# KiCad board KlusterLab r2.0.kicad_pcb (continued)
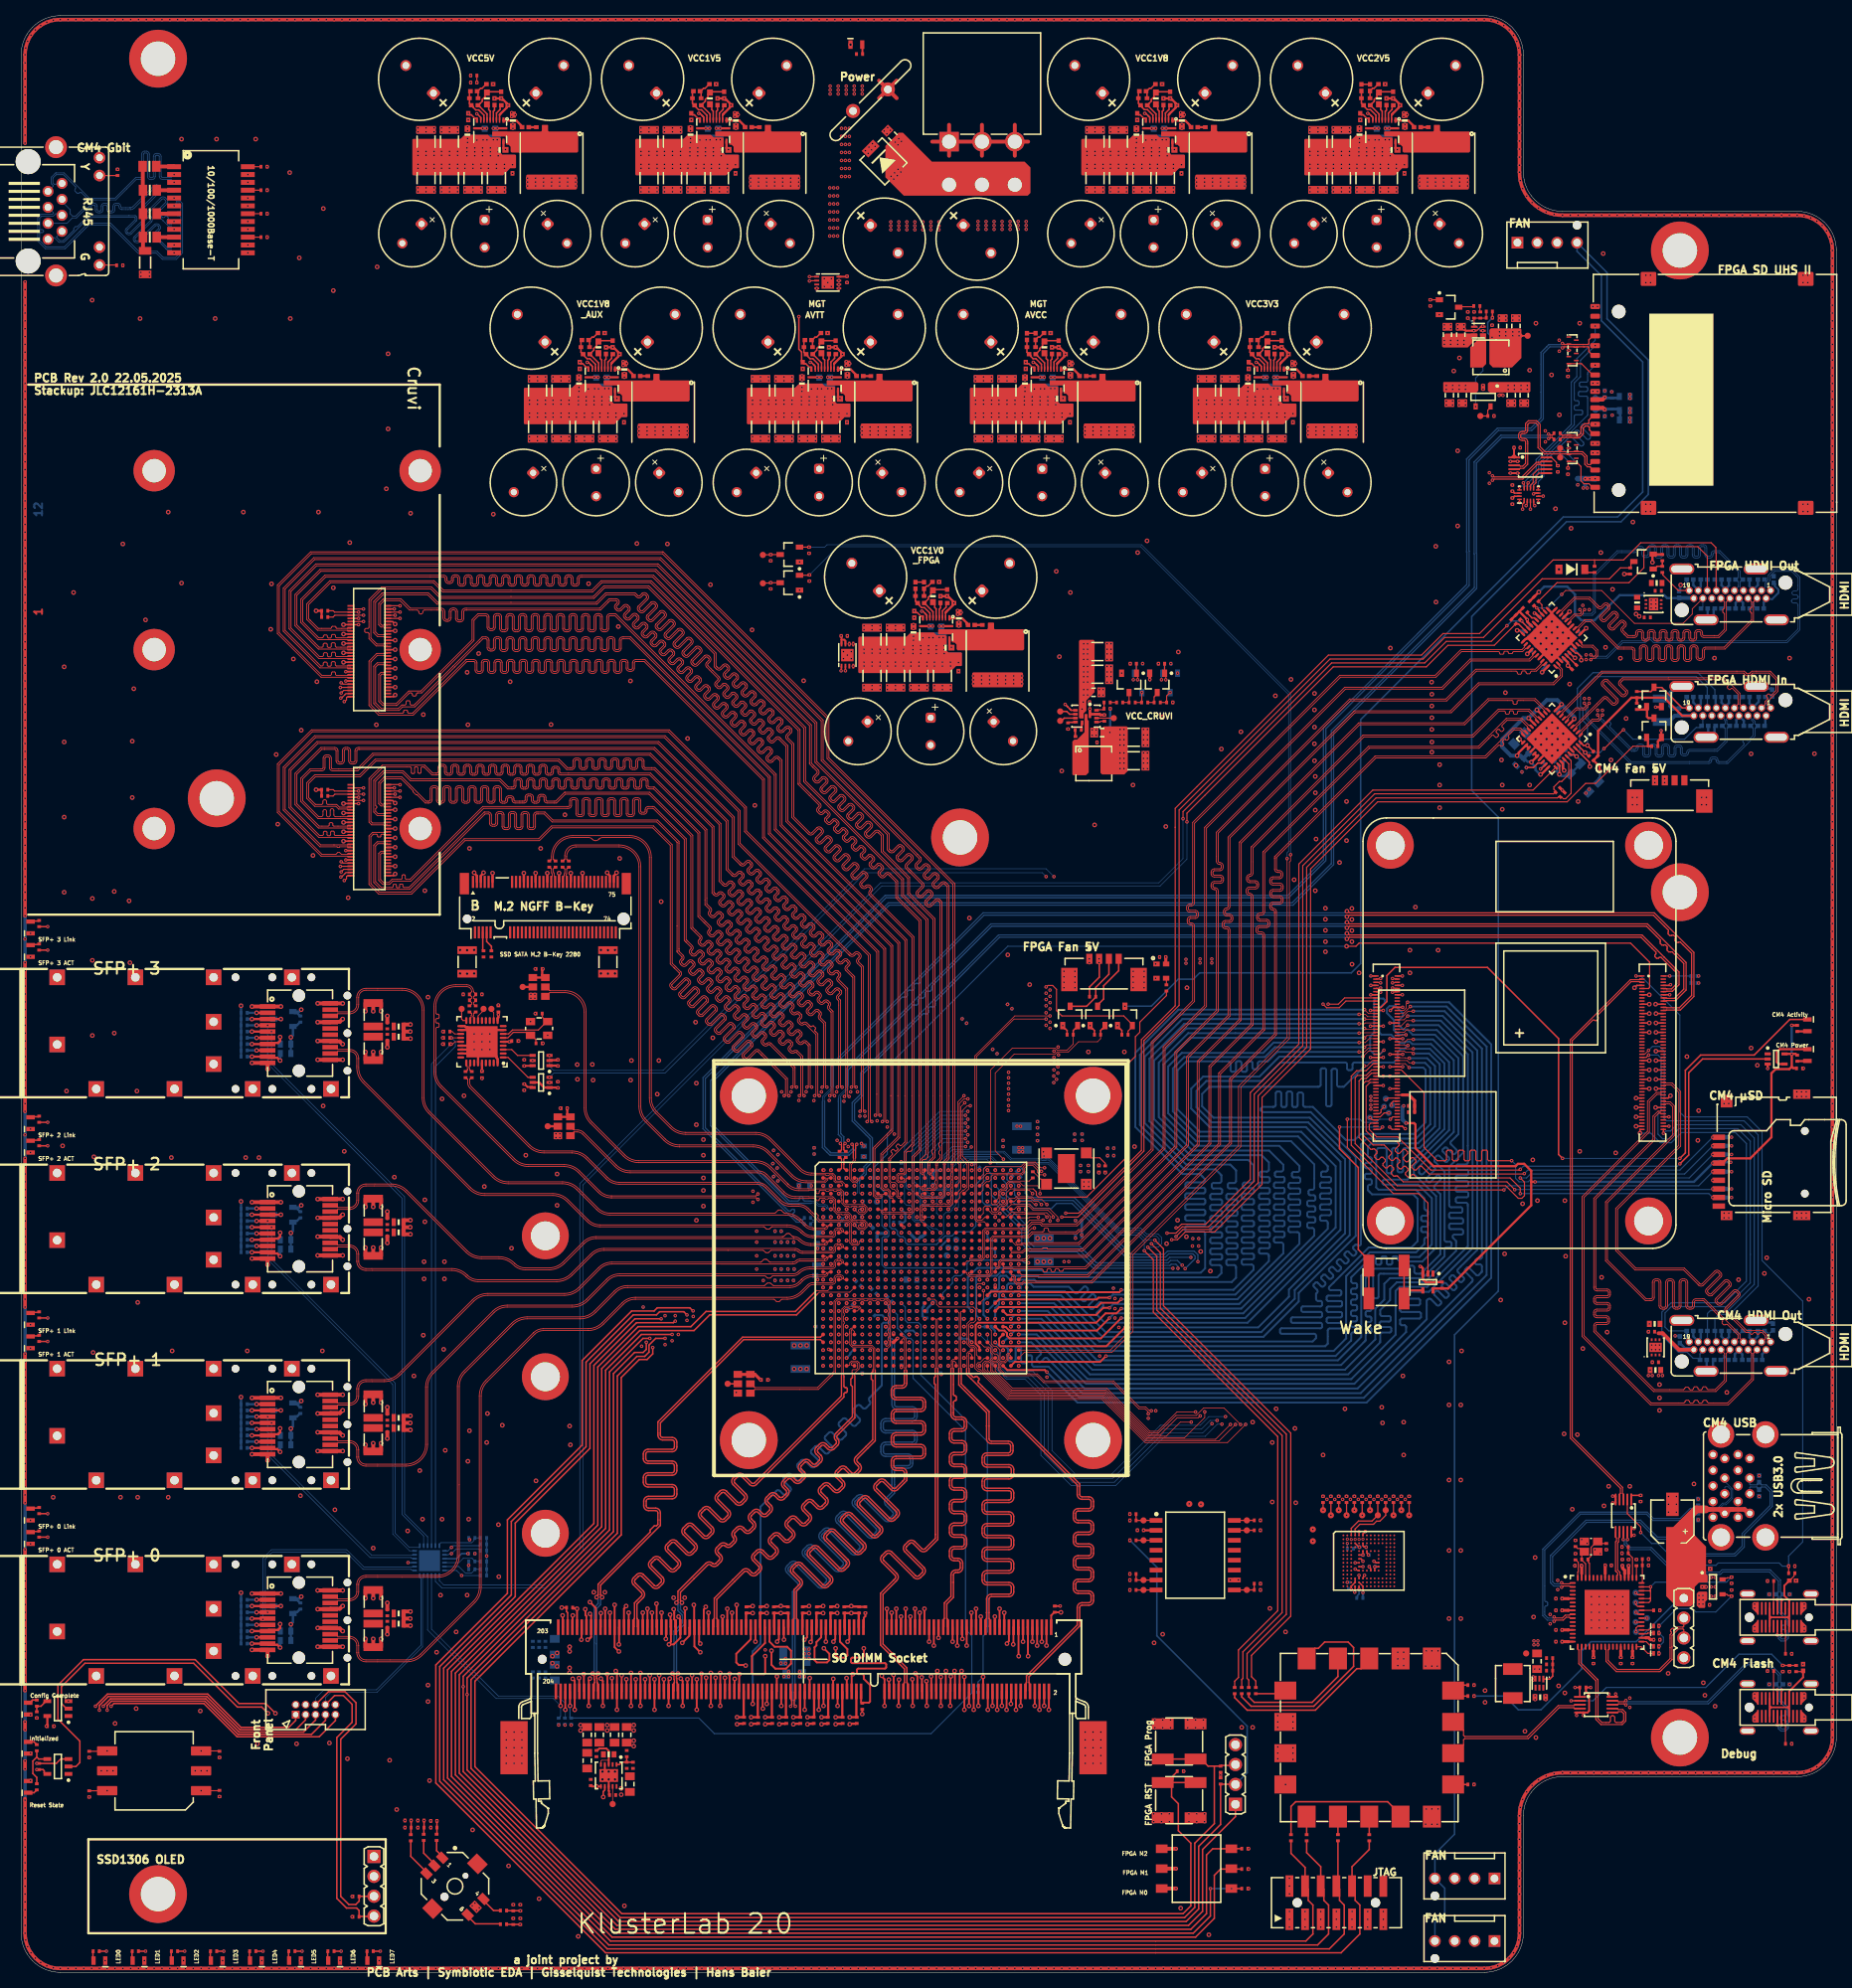
[diagram p0: board, top side]
## Routing (per net, layer and track width the routed paths; a pad name or vN(x,y) marks a point on that pad's centre or on a via; arc(x,y) is an arc through that point) (continued)
  L3 Inner2 (Sig) w0.45: v1(0.5,233.71) 0.5,237.82 v1(0.5,237.82) v1(0.5,240.9) v1(0.5,243.97) v1(0.5,245) arc(1.82,248.18) v1(5,249.5) v1(7,249.5) v1(9,249.5) v1(12,249.5) v1(16,249.5) v1(18,249.5) v1(22,249.5) v1(28,249.5) v1(31,249.5) v1(32,249.5) v1(37,249.5) v1(39,249.5) v1(43,249.5) v1(45,249.5) v1(48,249.5) v1(51,249.5) v1(54,249.5) v1(57,249.5) v1(58,249.5) v1(62,249.5) v1(65,249.5) v1(68,249.5) v1(73,249.5) v1(77,249.5) v1(80,249.5) v1(83,249.5) v1(84,249.5) v1(87,249.5) v1(92,249.5) v1(95,249.5) v1(97,249.5) v1(103,249.5) v1(109,249.5) v1(111,249.5) v1(113,249.5) v1(118,249.5) v1(119,249.5) v1(122,249.5) v1(125,249.5) v1(128,249.5) v1(131,249.5) v1(135,249.5) v1(138,249.5) v1(141,249.5) v1(143,249.5) v1(146,249.5) v1(149,249.5) v1(150,249.5) v1(153,249.5) v1(157,249.5) v1(158,249.5) v1(161,249.5) v1(163,249.5) v1(166,249.5) v1(169,249.5) v1(171,249.5) v1(173,249.5) v1(176,249.5) v1(180,249.5) v1(182,249.5) v1(187,249.5) arc(190.18,248.18) v1(191.5,245) v1(191.5,242.18) v1(191.5,236.03) v1(191.5,235) v1(191.5,230) arc(193.11,226.11) v1(197,224.5) v1(201,224.5) v1(205,224.5) v1(209,224.5) v1(211,224.5) v1(212,224.5) v1(214,224.5) v1(217,224.5) v1(221,224.5) v1(224,224.5) v1(227,224.5) arc(230.18,223.18) v1(231.5,220) v1(231.5,218) v1(231.5,217) v1(231.5,214) v1(231.5,210) v1(231.5,205) v1(231.5,204) v1(231.5,203) 231.5,173 231.5,160 231.5,141 v1(231.5,133) v1(231.5,132) v1(231.5,129) v1(231.5,126) v1(231.5,122) 231.5,110 231.5,106 231.5,78 231.5,73 231.5,46 v1(231.5,45) v1(231.5,41) v1(231.5,36) 231.5,30 arc(230.18,26.82) v1(227,25.5) v1(224,25.5) v1(221,25.5) v1(219,25.5) v1(217,25.5) v1(215,25.5) v1(212,25.5) v1(211,25.5) v1(207,25.5) v1(204,25.5) v1(201,25.5) v1(199,25.5) v1(197,25.5) arc(193.11,23.89) v1(191.5,20) v1(191.5,16) v1(191.5,13) v1(191.5,12) v1(191.5,5) arc(190.18,1.82) v1(187,0.5) v1(184,0.5) v1(178,0.5) v1(176,0.5) v1(174,0.5) v1(166,0.5) v1(162,0.5) v1(156,0.5) v1(150,0.5) v1(148,0.5) v1(143,0.5) v1(142,0.5) v1(141,0.5) v1(138,0.5) v1(133,0.5) v1(131,0.5) v1(129,0.5) v1(126,0.5) v1(123,0.5) v1(121,0.5) v1(117,0.5) v1(115,0.5) v1(110,0.5) v1(108,0.5) v1(105,0.5) v1(102,0.5) v1(96,0.5) v1(93,0.5) v1(90,0.5) v1(89,0.5) v1(86,0.5) v1(82,0.5) v1(80,0.5) v1(77,0.5) v1(72,0.5) v1(69,0.5) v1(67,0.5) v1(62,0.5) v1(59,0.5) v1(56,0.5) v1(51,0.5) v1(50,0.5) v1(47,0.5) v1(45,0.5) v1(43,0.5) v1(39,0.5) v1(34,0.5) v1(33,0.5) v1(27,0.5) v1(24,0.5) v1(20,0.5) v1(14,0.5) v1(11,0.5) v1(8,0.5) v1(5,0.5) arc(1.82,1.82) v1(0.5,5) v1(0.5,8) v1(0.5,11) v1(0.5,12) v1(0.5,13) v1(0.5,17) v1(0.5,20) v1(0.5,22) v1(0.5,26) v1(0.5,31) v1(0.5,36) v1(0.5,37) v1(0.5,38) v1(0.5,43) v1(0.5,46) v1(0.5,47) v1(0.5,51) v1(0.5,52) v1(0.5,61) v1(0.5,64) v1(0.5,65) v1(0.5,68) v1(0.5,69) v1(0.5,73) v1(0.5,77) v1(0.5,78) v1(0.5,88) v1(0.5,90) v1(0.5,91) v1(0.5,94) v1(0.5,97) v1(0.5,102) v1(0.5,103) v1(0.5,104) v1(0.5,112) v1(0.5,114) v1(0.5,117) v1(0.5,118) v1(0.5,121) v1(0.5,123) v1(0.5,125) v1(0.5,126) v1(0.5,129) v1(0.5,132.03) v1(0.5,138) v1(0.5,143) v1(0.5,144) v1(0.5,146) v1(0.5,148) v1(0.5,151) v1(0.5,153) v1(0.5,156) v1(0.5,157) v1(0.5,159) v1(0.5,160) v1(0.5,165) v1(0.5,167) v1(0.5,169) v1(0.5,170) v1(0.5,175) v1(0.5,180) v1(0.5,183) v1(0.5,184) v1(0.5,186) v1(0.5,188) v1(0.5,189) v1(0.5,196) v1(0.5,197) v1(0.5,201) v1(0.5,204) v1(0.5,207) v1(0.5,209) v1(0.5,210) v1(0.5,212) v1(0.5,214) v1(0.5,215.97)
  L5 Inner4 (PWR) w0.45: v1(0.5,215.97) v1(0.5,214) v1(0.5,212) v1(0.5,210) v1(0.5,209) v1(0.5,206) v1(0.5,202) v1(0.5,201) v1(0.5,197) v1(0.5,196) v1(0.5,194) v1(0.5,192) v1(0.5,189) v1(0.5,186) v1(0.5,184) v1(0.5,183) v1(0.5,180) v1(0.5,178) v1(0.5,175) v1(0.5,173) v1(0.5,170) v1(0.5,169) v1(0.5,164) v1(0.5,161) v1(0.5,157) v1(0.5,156) v1(0.5,152) v1(0.5,148) v1(0.5,146) v1(0.5,144) v1(0.5,143) v1(0.5,140) v1(0.5,139) v1(0.5,136) v1(0.5,132.03) v1(0.5,129) v1(0.5,126) v1(0.5,122) v1(0.5,118) v1(0.5,117) v1(0.5,116) v1(0.5,113) v1(0.5,112) v1(0.5,104) v1(0.5,103) v1(0.5,99) v1(0.5,96) v1(0.5,94) v1(0.5,91) v1(0.5,90) v1(0.5,78) v1(0.5,77) v1(0.5,75) v1(0.5,73) v1(0.5,69) v1(0.5,67) v1(0.5,65) v1(0.5,64) v1(0.5,61) v1(0.5,52) v1(0.5,51) v1(0.5,50) v1(0.5,47) v1(0.5,45) v1(0.5,42) v1(0.5,38) v1(0.5,37) v1(0.5,32) v1(0.5,31) v1(0.5,26) v1(0.5,22) v1(0.5,20) v1(0.5,16) v1(0.5,12) v1(0.5,11) v1(0.5,9) v1(0.5,5) arc(1.82,1.82) v1(5,0.5) v1(6,0.5) v1(11,0.5) v1(14,0.5) v1(16,0.5) v1(18,0.5) v1(20,0.5) v1(25,0.5) v1(28,0.5) v1(31,0.5) v1(35,0.5) v1(38,0.5) v1(41,0.5) v1(45,0.5) v1(50,0.5) v1(51,0.5) v1(53,0.5) v1(56,0.5) v1(57,0.5) v1(62,0.5) v1(64,0.5) v1(67,0.5) v1(68,0.5) v1(72,0.5) v1(77,0.5) v1(80,0.5) v1(83,0.5) v1(84,0.5) v1(87,0.5) v1(91,0.5) v1(94,0.5) v1(96,0.5) v1(99,0.5) v1(103,0.5) v1(105,0.5) v1(110,0.5) v1(112,0.5) v1(115,0.5) v1(119,0.5) v1(122,0.5) v1(125,0.5) v1(128,0.5) v1(131,0.5) v1(136,0.5) v1(139,0.5) v1(141,0.5) v1(142,0.5) v1(145,0.5) v1(147,0.5) v1(150,0.5) v1(153,0.5) v1(156,0.5) v1(158,0.5) v1(160,0.5) v1(166,0.5) v1(169,0.5) v1(172,0.5) v1(178,0.5) v1(184,0.5) v1(186,0.5) v1(187,0.5) arc(190.18,1.82) v1(191.5,5) v1(191.5,10) v1(191.5,12) v1(191.5,13) v1(191.5,16) v1(191.5,20) arc(193.11,23.89) v1(197,25.5) v1(201,25.5) v1(204,25.5) v1(206,25.5) v1(211,25.5) v1(212,25.5) v1(215,25.5) v1(218,25.5) v1(220,25.5) v1(222,25.5) v1(225,25.5) v1(227,25.5) arc(230.18,26.82) 231.5,30 v1(231.5,36) v1(231.5,42) v1(231.5,45) 231.5,50 231.5,77 231.5,102 231.5,109 231.5,110 v1(231.5,121) v1(231.5,125) v1(231.5,129) v1(231.5,133) 231.5,140 231.5,144 231.5,172 231.5,173 v1(231.5,203) v1(231.5,204) v1(231.5,205) v1(231.5,208) v1(231.5,214) v1(231.5,220) arc(230.18,223.18) v1(227,224.5) v1(222,224.5) v1(215,224.5) v1(212,224.5) v1(211,224.5) v1(207,224.5) v1(204,224.5) v1(203,224.5) v1(201,224.5) v1(197,224.5) arc(193.11,226.11) v1(191.5,230) 191.5,231.92 v1(191.5,235) v1(191.5,236.03) v1(191.5,240.13) v1(191.5,241.16) v1(191.5,245) arc(190.18,248.18) v1(187,249.5) v1(185,249.5) v1(181,249.5) v1(178,249.5) v1(175,249.5) v1(173,249.5) v1(170,249.5) v1(167,249.5) v1(166,249.5) v1(160,249.5) v1(157,249.5) v1(153,249.5) v1(151,249.5) v1(146,249.5) v1(140,249.5) v1(138,249.5) v1(132,249.5) v1(129,249.5) v1(127,249.5) v1(123,249.5) v1(119,249.5) v1(118,249.5) v1(115,249.5) v1(109,249.5) v1(105,249.5) v1(102,249.5) v1(98,249.5) v1(93,249.5) v1(90,249.5) v1(89,249.5) v1(86,249.5) v1(83,249.5) v1(80,249.5) v1(76,249.5) v1(74,249.5) v1(69,249.5) v1(65,249.5) v1(62,249.5) v1(60,249.5) v1(55,249.5) v1(54,249.5) v1(51,249.5) v1(48,249.5) v1(45,249.5) v1(42,249.5) v1(39,249.5) v1(36,249.5) v1(32,249.5) v1(30,249.5) v1(26,249.5) v1(25,249.5) v1(19,249.5) v1(16,249.5) v1(13,249.5) v1(9,249.5) v1(6,249.5) v1(5,249.5) arc(1.82,248.18) v1(0.5,245) v1(0.5,243.97) v1(0.5,240.9) v1(0.5,237.82) 0.5,237.82 v1(0.5,233.71)
  L6 Inner5 (PWR) w0.45: v1(0.5,233.71) 0.5,237.82 v1(0.5,237.82) v1(0.5,240.9) v1(0.5,243.97) v1(0.5,245) arc(1.82,248.18) v1(5,249.5) v1(8,249.5) v1(9,249.5) v1(14,249.5) v1(17,249.5) v1(19,249.5) v1(21,249.5) v1(25,249.5) v1(28,249.5) v1(29,249.5) v1(32,249.5) v1(37,249.5) v1(40,249.5) v1(42,249.5) v1(45,249.5) v1(49,249.5) v1(54,249.5) v1(57,249.5) v1(62,249.5) v1(66,249.5) v1(68,249.5) v1(71,249.5) v1(74,249.5) v1(80,249.5) v1(81,249.5) v1(84,249.5) v1(87,249.5) v1(94,249.5) v1(97,249.5) v1(102,249.5) v1(103,249.5) v1(109,249.5) v1(113,249.5) v1(118,249.5) v1(120,249.5) v1(125,249.5) v1(129,249.5) v1(132,249.5) v1(135,249.5) v1(138,249.5) v1(141,249.5) v1(146,249.5) v1(149,249.5) v1(153,249.5) v1(160,249.5) v1(164,249.5) v1(167,249.5) v1(171,249.5) v1(173,249.5) v1(177,249.5) v1(180,249.5) v1(182,249.5) v1(187,249.5) arc(190.18,248.18) v1(191.5,245) v1(191.5,242.18) v1(191.5,240.13) v1(191.5,236.03) v1(191.5,235) v1(191.5,230) arc(193.11,226.11) v1(197,224.5) v1(202,224.5) v1(205,224.5) v1(207,224.5) v1(209,224.5) v1(211,224.5) v1(212,224.5) v1(214,224.5) v1(218,224.5) v1(220,224.5) v1(222,224.5) v1(227,224.5) arc(230.18,223.18) v1(231.5,220) v1(231.5,217) v1(231.5,212) v1(231.5,205) v1(231.5,204) v1(231.5,202) 231.5,173 231.5,161 231.5,141 v1(231.5,133) v1(231.5,130) v1(231.5,127) v1(231.5,121) 231.5,110 231.5,106 231.5,78 231.5,46 v1(231.5,45) v1(231.5,43) v1(231.5,35) 231.5,30 arc(230.18,26.82) v1(227,25.5) v1(225,25.5) v1(224,25.5) v1(221,25.5) v1(217,25.5) v1(214,25.5) v1(212,25.5) v1(211,25.5) v1(207,25.5) v1(204,25.5) v1(201,25.5) v1(197,25.5) arc(193.11,23.89) v1(191.5,20) v1(191.5,15) v1(191.5,13) v1(191.5,12) v1(191.5,7) v1(191.5,5) arc(190.18,1.82) v1(187,0.5) v1(185,0.5) v1(184,0.5) v1(179,0.5) v1(176,0.5) v1(172,0.5) v1(169,0.5) v1(165,0.5) v1(162,0.5) v1(159,0.5) v1(156,0.5) v1(151,0.5) v1(148,0.5) v1(145,0.5) v1(142,0.5) v1(141,0.5) v1(138,0.5) v1(134,0.5) v1(133,0.5) v1(129,0.5) v1(127,0.5) v1(122,0.5) v1(120,0.5) v1(117,0.5) v1(115,0.5) v1(112,0.5) v1(110,0.5) v1(107,0.5) v1(103,0.5) v1(100,0.5) v1(96,0.5) v1(94,0.5) v1(92,0.5) v1(87,0.5) v1(82,0.5) v1(81,0.5) v1(75,0.5) v1(71,0.5) v1(68,0.5) v1(65,0.5) v1(63,0.5) v1(60,0.5) v1(59,0.5) v1(56,0.5) v1(53,0.5) v1(51,0.5) v1(50,0.5) v1(47,0.5) v1(44,0.5) v1(43,0.5) v1(37,0.5) v1(30,0.5) v1(26,0.5) v1(24,0.5) v1(22,0.5) v1(17,0.5) v1(12,0.5) v1(11,0.5) v1(8,0.5) v1(5,0.5) arc(1.82,1.82) v1(0.5,5) v1(0.5,7) v1(0.5,8) v1(0.5,11) v1(0.5,12) v1(0.5,15) v1(0.5,17) v1(0.5,19) v1(0.5,20) v1(0.5,22) v1(0.5,26) v1(0.5,31) v1(0.5,37) v1(0.5,38) v1(0.5,41) v1(0.5,42) v1(0.5,46) v1(0.5,49) v1(0.5,51) v1(0.5,52) v1(0.5,61) v1(0.5,64) v1(0.5,65) v1(0.5,68) v1(0.5,70) v1(0.5,73) v1(0.5,75) v1(0.5,77) v1(0.5,78) v1(0.5,86) v1(0.5,88) v1(0.5,90) v1(0.5,91) v1(0.5,94) v1(0.5,97) v1(0.5,102) v1(0.5,103) v1(0.5,104) v1(0.5,112) v1(0.5,113) v1(0.5,117) v1(0.5,118) v1(0.5,122) v1(0.5,125) v1(0.5,126) v1(0.5,129) v1(0.5,132.03) v1(0.5,135) v1(0.5,141) v1(0.5,143) v1(0.5,144) v1(0.5,149) v1(0.5,152) v1(0.5,154) v1(0.5,156) v1(0.5,157) v1(0.5,161) v1(0.5,163) v1(0.5,165) v1(0.5,168) v1(0.5,169) v1(0.5,170) v1(0.5,172) v1(0.5,175) v1(0.5,177) v1(0.5,180) v1(0.5,183) v1(0.5,184) v1(0.5,189) v1(0.5,196) v1(0.5,197) v1(0.5,200) v1(0.5,204) v1(0.5,206) v1(0.5,209) v1(0.5,210) v1(0.5,214) v1(0.5,215.97)
  L7 Inner6 (PWR) w0.45: v1(0.5,215.97) v1(0.5,213) v1(0.5,210) v1(0.5,209) v1(0.5,208) v1(0.5,205) v1(0.5,203) v1(0.5,199) v1(0.5,197) v1(0.5,196) v1(0.5,194) v1(0.5,189) v1(0.5,184) v1(0.5,183) v1(0.5,180) v1(0.5,177) v1(0.5,174) v1(0.5,172) v1(0.5,170) v1(0.5,169) v1(0.5,165) v1(0.5,161) v1(0.5,157) v1(0.5,156) v1(0.5,154) v1(0.5,151) v1(0.5,144) v1(0.5,143) v1(0.5,141) v1(0.5,138) v1(0.5,132.03) v1(0.5,129) v1(0.5,126) v1(0.5,125) v1(0.5,120) v1(0.5,118) v1(0.5,117) v1(0.5,114) v1(0.5,112) v1(0.5,104) v1(0.5,103) v1(0.5,100) v1(0.5,97) v1(0.5,95) v1(0.5,91) v1(0.5,90) v1(0.5,88) v1(0.5,85) v1(0.5,78) v1(0.5,77) v1(0.5,75) v1(0.5,73) v1(0.5,70) v1(0.5,68) v1(0.5,65) v1(0.5,64) v1(0.5,61) v1(0.5,52) v1(0.5,51) v1(0.5,47) v1(0.5,43) v1(0.5,38) v1(0.5,37) v1(0.5,31) v1(0.5,26) v1(0.5,22) v1(0.5,20) v1(0.5,19) v1(0.5,16) v1(0.5,12) v1(0.5,11) v1(0.5,8) v1(0.5,7) v1(0.5,5) arc(1.82,1.82) v1(5,0.5) v1(7,0.5) v1(11,0.5) v1(15,0.5) v1(19,0.5) v1(22,0.5) v1(23,0.5) v1(27,0.5) v1(31,0.5) v1(34,0.5) v1(38,0.5) v1(43,0.5) v1(44,0.5) v1(49,0.5) v1(50,0.5) v1(51,0.5) v1(53,0.5) v1(56,0.5) v1(59,0.5) v1(62,0.5) v1(65,0.5) v1(68,0.5) v1(71,0.5) v1(75,0.5) v1(78,0.5) v1(83,0.5) v1(87,0.5) v1(91,0.5) v1(94,0.5) v1(96,0.5) v1(98,0.5) v1(104,0.5) v1(107,0.5) v1(110,0.5) v1(115,0.5) v1(117,0.5) v1(119,0.5) v1(125,0.5) v1(129,0.5) v1(133,0.5) v1(134,0.5) v1(136,0.5) v1(139,0.5) v1(141,0.5) v1(142,0.5) v1(143,0.5) v1(148,0.5) v1(151,0.5) v1(154,0.5) v1(158,0.5) v1(160,0.5) v1(164,0.5) v1(168,0.5) v1(174,0.5) v1(179,0.5) v1(184,0.5) v1(187,0.5) arc(190.18,1.82) v1(191.5,5) v1(191.5,10) v1(191.5,12) v1(191.5,13) v1(191.5,16) v1(191.5,20) arc(193.11,23.89) v1(197,25.5) v1(199,25.5) v1(204,25.5) v1(207,25.5) v1(211,25.5) v1(212,25.5) v1(216,25.5) v1(217,25.5) v1(224,25.5) v1(227,25.5) arc(230.18,26.82) 231.5,30 v1(231.5,36) v1(231.5,38) v1(231.5,43) v1(231.5,45) 231.5,46 231.5,77 231.5,95 231.5,109 231.5,110 v1(231.5,120) v1(231.5,121) v1(231.5,124) v1(231.5,128) v1(231.5,132) v1(231.5,133) 231.5,140 231.5,172 231.5,173 v1(231.5,204) v1(231.5,205) v1(231.5,214) v1(231.5,217) v1(231.5,220) arc(230.18,223.18) v1(227,224.5) v1(225,224.5) v1(224,224.5) v1(221,224.5) v1(219,224.5) v1(214,224.5) v1(212,224.5) v1(211,224.5) v1(209,224.5) v1(205,224.5) v1(202,224.5) v1(199,224.5) v1(197,224.5) arc(193.11,226.11) v1(191.5,230) 191.5,231.92 v1(191.5,235) v1(191.5,236.03) v1(191.5,240.13) v1(191.5,241.16) v1(191.5,245) arc(190.18,248.18) v1(187,249.5) v1(185,249.5) v1(181,249.5) v1(179,249.5) v1(172,249.5) v1(169,249.5) v1(166,249.5) v1(163,249.5) v1(160,249.5) v1(157,249.5) v1(153,249.5) v1(150,249.5) v1(147,249.5) v1(144,249.5) v1(142,249.5) v1(135,249.5) v1(132,249.5) v1(128,249.5) v1(124,249.5) v1(119,249.5) v1(116,249.5) v1(113,249.5) v1(111,249.5) v1(107,249.5) v1(105,249.5) v1(102,249.5) v1(98,249.5) v1(96,249.5) v1(95,249.5) v1(90,249.5) v1(89,249.5) v1(86,249.5) v1(83,249.5) v1(80,249.5) v1(76,249.5) v1(74,249.5) v1(69,249.5) v1(67,249.5) v1(65,249.5) v1(62,249.5) v1(57,249.5) v1(54,249.5) v1(51,249.5) v1(47,249.5) v1(44,249.5) v1(42,249.5) v1(38,249.5) v1(33,249.5) v1(31,249.5) v1(28,249.5) v1(25,249.5) v1(18,249.5) v1(15,249.5) v1(12,249.5) v1(9,249.5) v1(6,249.5) v1(5,249.5) arc(1.82,248.18) v1(0.5,245) v1(0.5,243.97) v1(0.5,240.9) v1(0.5,237.82) 0.5,237.82 v1(0.5,233.71)
  L8 Inner7 (PWR) w0.45: v1(0.5,233.71) 0.5,237.82 v1(0.5,237.82) v1(0.5,239.87) v1(0.5,240.9) v1(0.5,243.97) v1(0.5,245) arc(1.82,248.18) v1(5,249.5) v1(6,249.5) v1(12,249.5) v1(16,249.5) v1(19,249.5) v1(25,249.5) v1(27,249.5) v1(28,249.5) v1(31,249.5) v1(32,249.5) v1(36,249.5) v1(38,249.5) v1(42,249.5) v1(45,249.5) v1(48,249.5) v1(51,249.5) v1(54,249.5) v1(57,249.5) v1(58,249.5) v1(60,249.5) v1(62,249.5) v1(65,249.5) v1(68,249.5) v1(72,249.5) v1(76,249.5) v1(81,249.5) v1(86,249.5) v1(89,249.5) v1(92,249.5) v1(94,249.5) v1(97,249.5) v1(102,249.5) v1(105,249.5) v1(107,249.5) v1(110,249.5) v1(115,249.5) v1(118,249.5) v1(119,249.5) v1(122,249.5) v1(125,249.5) v1(130,249.5) v1(132,249.5) v1(135,249.5) v1(138,249.5) v1(141,249.5) v1(144,249.5) v1(147,249.5) v1(152,249.5) v1(155,249.5) v1(156,249.5) v1(160,249.5) v1(163,249.5) v1(166,249.5) v1(168,249.5) v1(170,249.5) v1(174,249.5) v1(179,249.5) v1(182,249.5) v1(187,249.5) arc(190.18,248.18) v1(191.5,245) v1(191.5,242.18) v1(191.5,236.03) v1(191.5,235) v1(191.5,230) arc(193.11,226.11) v1(197,224.5) v1(199,224.5) v1(201,224.5) v1(205,224.5) v1(209,224.5) v1(211,224.5) v1(212,224.5) v1(215,224.5) v1(219,224.5) v1(221,224.5) v1(224,224.5) v1(225,224.5) v1(227,224.5) arc(230.18,223.18) v1(231.5,220) v1(231.5,218) v1(231.5,214) v1(231.5,210) v1(231.5,207) v1(231.5,205) v1(231.5,204) v1(231.5,203) 231.5,173 231.5,167 231.5,141 v1(231.5,133) v1(231.5,132) v1(231.5,129) v1(231.5,126) v1(231.5,123) 231.5,110 231.5,96 231.5,78 231.5,46 v1(231.5,45) v1(231.5,41) v1(231.5,39) v1(231.5,35) 231.5,30 arc(230.18,26.82) v1(227,25.5) v1(223,25.5) v1(220,25.5) v1(219,25.5) v1(215,25.5) v1(212,25.5) v1(211,25.5) v1(208,25.5) v1(205,25.5) v1(202,25.5) v1(199,25.5) v1(197,25.5) arc(193.11,23.89) v1(191.5,20) v1(191.5,15) v1(191.5,13) v1(191.5,12) v1(191.5,8) v1(191.5,5) arc(190.18,1.82) v1(187,0.5) v1(185,0.5) v1(184,0.5) v1(179,0.5) v1(172,0.5) v1(167,0.5) v1(164,0.5) v1(160,0.5) v1(158,0.5) v1(156,0.5) v1(150,0.5) v1(148,0.5) v1(143,0.5) v1(142,0.5) v1(141,0.5) v1(138,0.5) v1(135,0.5) v1(131,0.5) v1(128,0.5) v1(125,0.5) v1(121,0.5) v1(117,0.5) v1(113,0.5) v1(108,0.5) v1(107,0.5) v1(102,0.5) v1(99,0.5) v1(96,0.5) v1(95,0.5) v1(90,0.5) v1(87,0.5) v1(84,0.5) v1(83,0.5) v1(77,0.5) v1(72,0.5) v1(66,0.5) v1(62,0.5) v1(59,0.5) v1(55,0.5) v1(51,0.5) v1(50,0.5) v1(49,0.5) v1(43,0.5) v1(38,0.5) v1(34,0.5) v1(33,0.5) v1(30,0.5) v1(27,0.5) v1(23,0.5) v1(21,0.5) v1(17,0.5) v1(14,0.5) v1(11,0.5) v1(9,0.5) v1(6,0.5) v1(5,0.5) arc(1.82,1.82) v1(0.5,5) v1(0.5,7) v1(0.5,8) v1(0.5,11) v1(0.5,12) v1(0.5,15) v1(0.5,20) v1(0.5,22) v1(0.5,26) v1(0.5,31) v1(0.5,32) v1(0.5,37) v1(0.5,38) v1(0.5,42) v1(0.5,46) v1(0.5,48) v1(0.5,51) v1(0.5,52) v1(0.5,61) v1(0.5,64) v1(0.5,65) v1(0.5,68) v1(0.5,70) v1(0.5,73) v1(0.5,77) v1(0.5,78) v1(0.5,90) v1(0.5,91) v1(0.5,94) v1(0.5,99) v1(0.5,101) v1(0.5,103) v1(0.5,104) v1(0.5,110) v1(0.5,112) v1(0.5,114) v1(0.5,117) v1(0.5,118) v1(0.5,120) v1(0.5,126) v1(0.5,129) v1(0.5,132.03) v1(0.5,138) v1(0.5,141) v1(0.5,143) v1(0.5,144) v1(0.5,146) v1(0.5,148) v1(0.5,151) v1(0.5,154) v1(0.5,156) v1(0.5,157) v1(0.5,159) v1(0.5,163) v1(0.5,165) v1(0.5,169) v1(0.5,170) v1(0.5,174) v1(0.5,179) v1(0.5,182) v1(0.5,183) v1(0.5,184) v1(0.5,189) v1(0.5,194) v1(0.5,196) v1(0.5,197) v1(0.5,204) v1(0.5,206) v1(0.5,209) v1(0.5,210) v1(0.5,213) v1(0.5,215.97)
  L10 Inner9 (Sig) w0.45: v1(0.5,215.97) v1(0.5,214) v1(0.5,212) v1(0.5,210) v1(0.5,209) v1(0.5,206) v1(0.5,204) v1(0.5,201) v1(0.5,197) v1(0.5,196) v1(0.5,190) v1(0.5,186) v1(0.5,184) v1(0.5,183) v1(0.5,179) v1(0.5,178) v1(0.5,175) v1(0.5,172) v1(0.5,170) v1(0.5,169) v1(0.5,165) v1(0.5,160) v1(0.5,157) v1(0.5,156) v1(0.5,154) v1(0.5,151) v1(0.5,146) v1(0.5,144) v1(0.5,143) v1(0.5,140) v1(0.5,137) v1(0.5,132.03) v1(0.5,129) v1(0.5,126) v1(0.5,123) v1(0.5,120) v1(0.5,118) v1(0.5,117) v1(0.5,114) v1(0.5,104) v1(0.5,103) v1(0.5,102) v1(0.5,100) v1(0.5,97) v1(0.5,95) v1(0.5,93) v1(0.5,91) v1(0.5,90) v1(0.5,88) v1(0.5,78) v1(0.5,77) v1(0.5,70) v1(0.5,67) v1(0.5,65) v1(0.5,64) v1(0.5,62) v1(0.5,60) v1(0.5,52) v1(0.5,51) v1(0.5,48) v1(0.5,46) v1(0.5,44) v1(0.5,38) v1(0.5,37) v1(0.5,26) v1(0.5,22) v1(0.5,20) v1(0.5,19) v1(0.5,16) v1(0.5,12) v1(0.5,11) v1(0.5,8) v1(0.5,7) v1(0.5,5) arc(1.82,1.82) v1(5,0.5) v1(9,0.5) v1(11,0.5) v1(12,0.5) v1(19,0.5) v1(20,0.5) v1(27,0.5) v1(28,0.5) v1(30,0.5) v1(33,0.5) v1(35,0.5) v1(38,0.5) v1(40,0.5) v1(43,0.5) v1(49,0.5) v1(50,0.5) v1(51,0.5) v1(55,0.5) v1(59,0.5) v1(60,0.5) v1(64,0.5) v1(68,0.5) v1(71,0.5) v1(77,0.5) v1(82,0.5) v1(89,0.5) v1(90,0.5) v1(94,0.5) v1(96,0.5) v1(100,0.5) v1(105,0.5) v1(107,0.5) v1(110,0.5) v1(113,0.5) v1(117,0.5) v1(119,0.5) v1(126,0.5) v1(128,0.5) v1(131,0.5) v1(136,0.5) v1(141,0.5) v1(142,0.5) v1(143,0.5) v1(149,0.5) v1(151,0.5) v1(153,0.5) v1(156,0.5) v1(159,0.5) v1(162,0.5) v1(164,0.5) v1(172,0.5) v1(176,0.5) v1(178,0.5) v1(184,0.5) v1(187,0.5) arc(190.18,1.82) v1(191.5,5) v1(191.5,8) v1(191.5,12) v1(191.5,13) v1(191.5,16) v1(191.5,20) arc(193.11,23.89) v1(197,25.5) v1(199,25.5) v1(202,25.5) v1(207,25.5) v1(208,25.5) v1(211,25.5) v1(212,25.5) v1(216,25.5) v1(217,25.5) v1(221,25.5) v1(224,25.5) v1(227,25.5) arc(230.18,26.82) 231.5,30 v1(231.5,37) v1(231.5,41) v1(231.5,44) v1(231.5,45) 231.5,46 231.5,77 231.5,109 231.5,110 v1(231.5,120) v1(231.5,123) v1(231.5,129) v1(231.5,135) 231.5,172 231.5,178 v1(231.5,202) v1(231.5,204) v1(231.5,205) v1(231.5,209) v1(231.5,211) v1(231.5,215) v1(231.5,218) v1(231.5,220) arc(230.18,223.18) v1(227,224.5) v1(225,224.5) v1(224,224.5) v1(220,224.5) v1(217,224.5) v1(216,224.5) v1(212,224.5) v1(211,224.5) v1(209,224.5) v1(203,224.5) v1(202,224.5) v1(197,224.5) arc(193.11,226.11) v1(191.5,230) 191.5,231.92 v1(191.5,235) v1(191.5,236.03) v1(191.5,245) arc(190.18,248.18) v1(187,249.5) v1(181,249.5) v1(178,249.5) v1(176,249.5) v1(173,249.5) v1(172,249.5) v1(169,249.5) v1(166,249.5) v1(163,249.5) v1(161,249.5) v1(160,249.5) v1(157,249.5) v1(154,249.5) v1(152,249.5) v1(148,249.5) v1(146,249.5) v1(141,249.5) v1(136,249.5) v1(134,249.5) v1(131,249.5) v1(129,249.5) v1(127,249.5) v1(122,249.5) v1(120,249.5) v1(116,249.5) v1(107,249.5) v1(105,249.5) v1(102,249.5) v1(100,249.5) v1(97,249.5) v1(93,249.5) v1(90,249.5) v1(89,249.5) v1(83,249.5) v1(80,249.5) v1(77,249.5) v1(72,249.5) v1(69,249.5) v1(65,249.5) v1(64,249.5) v1(60,249.5) v1(53,249.5) v1(52,249.5) v1(46,249.5) v1(45,249.5) v1(41,249.5) v1(39,249.5) v1(36,249.5) v1(33,249.5) v1(31,249.5) v1(26,249.5) v1(25,249.5) v1(18,249.5) v1(15,249.5) v1(13,249.5) v1(8,249.5) v1(5,249.5) arc(1.82,248.18) v1(0.5,245) v1(0.5,243.97) v1(0.5,240.9) v1(0.5,237.82) 0.5,237.82 v1(0.5,233.71)
  L12 Bottom w0.2: v1(49.45,52.35) U22.9 ; R203.1 57.2,52.5 57.2,52 v1(57.2,52) 57.2,52 57.2,51.5 R204.1
  L12 Bottom w0.249: v2(122.35,34.05) 122.3,34.1 R15.2
  L12 Bottom w0.25: C152.2 135.55,96.05 ; C249.2 124.2,92.5 124.5,92.2 v1(124.5,91.5) ; C244.2 124.45,85.71 124.39,85.64 124.39,85.38 v1(123.5,84.5) ; v1(124.5,81.5) 124.46,81.54 124.46,81.98 124,82.45 C227.2 ; C160.1 170.29,54.18 170.36,54.24 170.42,54.24 170.5,54.33 v1(171.05,54.33) ; C275.2 118.45,93.71 118.39,93.64 118.39,93.59 117.54,92.74 117.54,92.54 v1(117.5,92.5) ; v1(121.5,80.5) 121.03,80.96 120.3,80.96 120.26,81 120.16,81 120.11,81.06 120.01,81.06 C223.2 ; C212.2 109.11,83.96 110.05,83.96 v1(110.51,83.5) ; J23.2 223.12,175.45 223.8,175.45 224.6,176.25 224.6,176.65 224.15,177.1 224.15,177.38 D35.1 ; v1(105.5,78.5) 105.98,78.98 105.98,79.13 106.45,79.61 C274.2 ; C225.2 123.9,93.5 123.51,93.89 v1(123.51,94.5) ; C231.2 113.11,81.96 113.36,81.96 113.4,82 114,82 v1(114.5,81.5) ; C277.2 112.8,95.8 113,96 113,97 v1(112.5,97.5) ; 135.55,94.23 v1(135.55,94.23)
  L12 Bottom w0.3: D36.1 221.97,177.24 J23.5 221.29,176.73 220.9,177.12 D40.1 ; 217.82,80.73 217.32,81.23 D12.1 ; 217.82,80.73 218.27,81.18 D9.1 ; 217.82,80.73 J11.11 ; R38.2 R37.2 v2(34.48,69.48) 34.74,69.73 Q2.2 34.91,71.03 35.27,71.03 35.65,71.41 R39.1 ; v1(117.5,102.5) 117.47,102.47 116.87,102.47 116.6,102.2 C206.2 ; 219.55,79.51 J11.8 ; 219.55,79.51 219.55,79.4 219.97,78.98 D7.1 ; 219.55,79.51 219.02,78.98 D10.1 ; v1(211.4,81.33) 211.43,81.3 211.95,81.3 D3.2 ; D57.1 218.27,162.18 217.82,161.73 ; R27.2 R26.2 v2(34.48,44.48) 34.74,44.74 Q1.2 34.91,46.03 35.27,46.03 35.65,46.41 R28.1 ; D15.1 213.72,81.23 214.35,80.6 ; 217.82,176.73 217.32,177.23 D44.1 ; 217.82,176.73 218.27,177.18 D41.1 ; 217.82,176.73 J23.11 ; J23.2 223.19,175.55 ; 223.02,175.38 222.72,175.08 D38.1 ; J11.2 223.02,79.47 222.52,78.98 D6.1 ; R50.1 35.65,96.41 35.27,96.03 34.91,96.03 Q3.2 34.74,94.74 v2(34.48,94.48) R48.2 R49.2 ; D11.1 216.36,78.25 216.23,78.13 216.23,77.31 215.73,76.8 J11.MT 215.42,76.88 D14.1 ; 214.35,80.6 J11.17 ; 214.35,80.6 214.35,80.73 214.67,81.05 D13.1 ; D63.1 213.72,162.23 214.35,161.6 ; J11.MT 222.94,83.3 223.22,83.03 223.77,83.03 223.9,82.9 D4.1 ; D60.1 217.32,162.23 217.82,161.73 ; 214.35,161.6 J24.17 ; 214.35,161.6 214.35,161.73 214.67,162.05 D61.1 ; D43.1 216.45,174.25 216.32,174.13 216.32,173.31 215.81,172.8 J23.MT 215.55,173.01 D46.1 ; D8.1 220.9,81.12 221.29,80.73 J11.5 221.97,81.24 D5.1 ; J24.MT 222.94,164.3 223.22,164.03 223.67,164.03 223.8,163.9 D52.1 ; D58.1 219.22,160.05 219.55,160.38 J24.8 220.17,159.93 D55.1 ; C243.2 121.86,103.38 121.71,103.23 121.53,103.23 v1(121.5,103.2) ; C254.2 115.75,84.4 115.79,84.44 115.79,84.79 v1(116.5,85.5) ; D45.1 214.67,177.05 214.35,176.73 214.35,176.6 ; D18.1 v1(218.6,106.7) ; D39.1 220.07,174.98 219.55,175.5 ; 214.35,176.6 J23.17 ; 214.35,176.6 213.72,177.23 D47.1 ; 219.55,175.5 J23.8 ; 219.55,175.5 219.55,175.41 219.12,174.98 D42.1 ; D17.1 v1(218.6,99) ; 217.82,161.73 J24.11 ; J24.2 222.92,160.46 222.92,159.35 D54.1 ; C154.2 171.49,48.52 v1(171.5,48.53) ; v2(212.1,177.25) 212.1,177.17 212.02,177.1 212.02,176.6 D48.2 ; D53.1 222.07,162.34 J24.5 221.29,161.73 220.9,162.12 D56.1 ; D59.1 216.55,159.25 216.42,159.13 216.42,158.31 215.91,157.8 J24.MT 215.62,158.08 D62.1 ; D16.1 v1(218.6,100.1) ; R61.1 35.65,121.41 35.27,121.03 34.91,121.03 Q4.2 34.74,119.74 v2(34.48,119.48) R59.2 R60.2 ; v1(218.5,103.5) 218.47,103.53 217.84,103.53 217.8,103.57 C116.2 ; D20.1 v1(218.6,102.3) ; D19.1 v1(218.6,105.6) ; D21.1 v1(218.6,104.5)
  L12 Bottom w0.35: 135.55,94.23 135.55,96.05
  L12 Bottom w0.4: C133.2 108.87,95.1 108.87,95.11 108.5,95.49 ; v1(113.5,94.5) v1(114.5,93.5) 115,93.99 115.17,93.99 115.47,94.29 C129.2 ; Q14.2 144.24,165.94 144.24,165.18 v1(144.25,165.17) ; 108.5,95.49 v1(108.5,95.5) ; 108.5,95.49 108.5,95.47
  L12 Bottom w0.45: v1(0.5,215.97) v1(0.5,212) v1(0.5,210) v1(0.5,209) v1(0.5,206) v1(0.5,204) v1(0.5,201) v1(0.5,197) v1(0.5,196) v1(0.5,194) v1(0.5,189) v1(0.5,186) v1(0.5,184) v1(0.5,183) v1(0.5,181) v1(0.5,179) v1(0.5,177) v1(0.5,175) v1(0.5,172) v1(0.5,170) v1(0.5,169) v1(0.5,168) v1(0.5,166) v1(0.5,161) v1(0.5,157) v1(0.5,156) v1(0.5,153) v1(0.5,151) v1(0.5,146) v1(0.5,144) v1(0.5,143) v1(0.5,141) v1(0.5,138) v1(0.5,132.03) v1(0.5,129) v1(0.5,126) v1(0.5,125) v1(0.5,123) v1(0.5,121) v1(0.5,118) v1(0.5,117) v1(0.5,114) v1(0.5,107) v1(0.5,104) v1(0.5,103) v1(0.5,99) v1(0.5,91) v1(0.5,90) v1(0.5,89) v1(0.5,87) v1(0.5,78) v1(0.5,77) v1(0.5,75) v1(0.5,70) v1(0.5,68) v1(0.5,65) v1(0.5,64) v1(0.5,61) v1(0.5,52) v1(0.5,51) v1(0.5,50) v1(0.5,47) v1(0.5,46) v1(0.5,41) v1(0.5,38) v1(0.5,37) v1(0.5,26) v1(0.5,22) v1(0.5,20) v1(0.5,19) v1(0.5,15) v1(0.5,14) v1(0.5,12) v1(0.5,11) v1(0.5,8) v1(0.5,5) arc(1.82,1.82) v1(5,0.5) v1(9,0.5) v1(11,0.5) v1(12,0.5) v1(15,0.5) v1(20,0.5) v1(23,0.5) v1(26,0.5) v1(30,0.5) v1(34,0.5) v1(37,0.5) v1(43,0.5) v1(46,0.5) v1(47,0.5) v1(50,0.5) v1(51,0.5) v1(56,0.5) v1(58,0.5) v1(62,0.5) v1(66,0.5) v1(68,0.5) v1(73,0.5) v1(77,0.5) v1(78,0.5) v1(83,0.5) v1(88,0.5) v1(91,0.5) v1(94,0.5) v1(96,0.5) v1(99,0.5) v1(102,0.5) v1(107,0.5) v1(110,0.5) v1(112,0.5) v1(116,0.5) v1(119,0.5) v1(122,0.5) v1(124,0.5) v1(127,0.5) v1(128,0.5) v1(133,0.5) v1(134,0.5) v1(136,0.5) v1(139,0.5) v1(141,0.5) v1(142,0.5) v1(144,0.5) v1(147,0.5) v1(151,0.5) v1(156,0.5) v1(157,0.5) v1(162,0.5) v1(166,0.5) v1(172,0.5) v1(176,0.5) v1(178,0.5) v1(184,0.5) v1(187,0.5) arc(190.18,1.82) v1(191.5,5) v1(191.5,7) v1(191.5,10) v1(191.5,12) v1(191.5,13) v1(191.5,15) v1(191.5,16) v1(191.5,20) arc(193.11,23.89) v1(197,25.5) v1(201,25.5) v1(204,25.5) v1(207,25.5) v1(208,25.5) v1(211,25.5) v1(212,25.5) v1(216,25.5) v1(218,25.5) v1(220,25.5) v1(224,25.5) v1(227,25.5) arc(230.18,26.82) 231.5,30 v1(231.5,35) v1(231.5,38) v1(231.5,43) v1(231.5,45) 231.5,49 231.5,77 231.5,90 231.5,109 231.5,113 v1(231.5,123) v1(231.5,126) v1(231.5,127) v1(231.5,130) v1(231.5,133) 231.5,140 231.5,144 231.5,172 231.5,173 v1(231.5,202) v1(231.5,204) v1(231.5,205) v1(231.5,210) v1(231.5,214) v1(231.5,216) v1(231.5,218) v1(231.5,220) arc(230.18,223.18) v1(227,224.5) v1(225,224.5) v1(224,224.5) v1(220,224.5) v1(217,224.5) v1(214,224.5) v1(212,224.5) v1(211,224.5) v1(204,224.5) v1(202,224.5) v1(199,224.5) v1(197,224.5) arc(193.11,226.11) v1(191.5,230) 191.5,231.92 v1(191.5,235) v1(191.5,236.03) v1(191.5,242.18) v1(191.5,245) arc(190.18,248.18) v1(187,249.5) v1(185,249.5) v1(183,249.5) v1(178,249.5) v1(175,249.5) v1(170,249.5) v1(169,249.5) v1(164,249.5) v1(162,249.5) v1(160,249.5) v1(157,249.5) v1(155,249.5) v1(150,249.5) v1(147,249.5) v1(144,249.5) v1(142,249.5) v1(141,249.5) v1(138,249.5) v1(135,249.5) v1(132,249.5) v1(128,249.5) v1(126,249.5) v1(121,249.5) v1(119,249.5) v1(117,249.5) v1(115,249.5) v1(107,249.5) v1(105,249.5) v1(100,249.5) v1(98,249.5) v1(96,249.5) v1(93,249.5) v1(90,249.5) v1(88,249.5) v1(84,249.5) v1(81,249.5) v1(80,249.5) v1(76,249.5) v1(74,249.5) v1(68,249.5) v1(65,249.5) v1(64,249.5) v1(58,249.5) v1(57,249.5) v1(54,249.5) v1(51,249.5) v1(46,249.5) v1(41,249.5) v1(39,249.5) v1(33,249.5) v1(29,249.5) v1(28,249.5) v1(23,249.5) v1(21,249.5) v1(18,249.5) v1(15,249.5) v1(12,249.5) v1(8,249.5) v1(5,249.5) arc(1.82,248.18) v1(0.5,245) v1(0.5,243.97) v1(0.5,240.9) v1(0.5,237.82) 0.5,237.82 v1(0.5,233.71)
  L12 Bottom w0.5: J24.MT 211.59,164.3 210.8,163.51 210.8,163 210.55,162.75 ; v1(102.5,94.5) 101.73,94.5 C261.2 ; D51.1 211.09,161.48 210.8,161.77 210.8,162.5 210.55,162.75 ; v1(102.5,90.5) 102.44,90.44 101.57,90.44 C246.2 ; 210.55,162.75 C178.1